# Allegro board reComputer J401_V1.0.brd (continued)
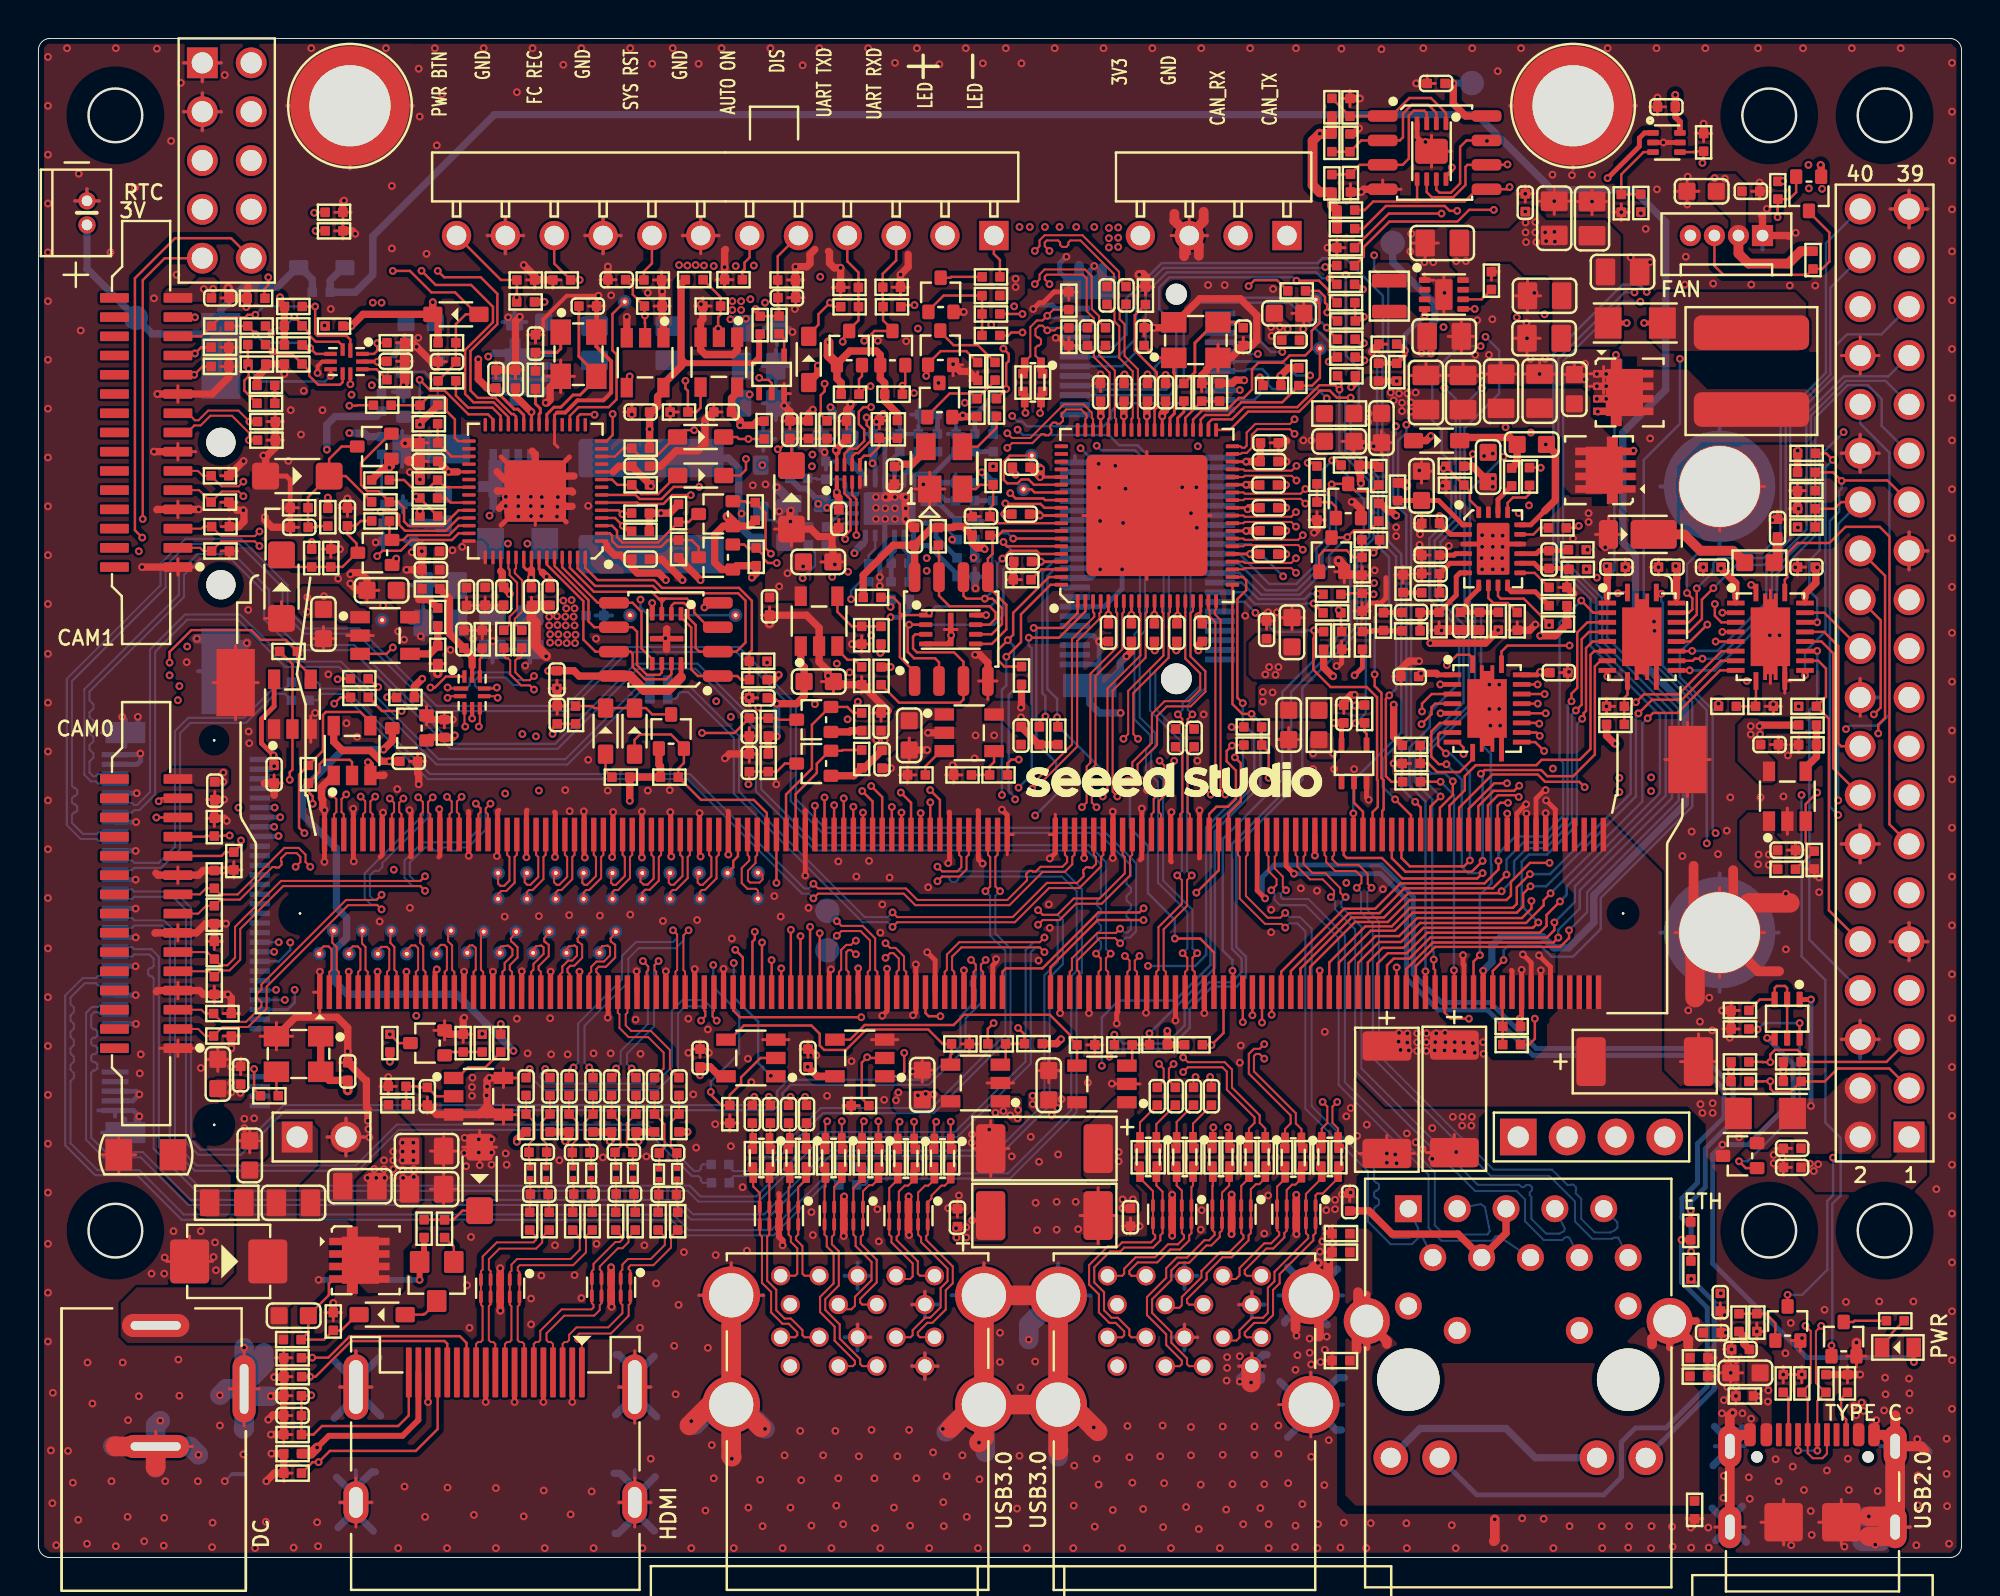
[diagram p0: board, top side]
## Routing (per net, layer and track width the routed paths; a pad name or vN(x,y) marks a point on that pad's centre or on a via; arc(x,y) is an arc through that point) (continued)
  GND02 w0.508: J1.S4 97.94,5.79 98.21,5.52
  GND02 w1.016: 52.97,5.65 53.02,5.7 J3.20 ; J4.21 53.02,7.96 J3.20 ; J4.21 48.5,7.96 46.98,6.43 ; J4.21 J4.22 49.17,13.63 J3.19 J3.20 ; J4.21 49.16,6.08 49.24,6 ; J4.19 J4.20 ; J4.20 35.19,7.96 33.51,6.28 ; J4.20 36.02,5.17 v1(36.05,5.14) ; J4.20 36.49,7.96 38.09,6.36 ; J1.S3 96.01,1.05 95.06,1.05 ; J1.S3 95.99,2.14 v1(95.18,2.14) 94.93,2.14 ; J1.S3 J1.S4 ; v1(54.88,6.76) 53.69,7.95 J3.20
  LAY3 w0.127: J16.3 60.78,68.75 ; J16.3 59.84,67.81 ; J16.3 58.9,68.75
  LAY3 w0.381: 4.17,5.77 J2.2 ; J2.2 6.09,5 ; J2.2 6.09,6.55 ; J2.2 8.02,5.77 ; 10.69,6.84 J2.3 ; J2.3 9.91,8.77 ; J2.3 11.47,8.77
  LAY3 w0.508: J3.21 66.16,9.68 ; J3.21 64.43,7.95 ; J3.21 66.16,6.22 ; J4.16 43.32,14.66 ; J4.16 42.59,15.39 ; J4.16 42.59,13.93 ; J4.16 41.86,14.66 ; 97.27,69.1 J10.39 ; J10.39 98.3,70.13 ; J10.39 97.27,71.16 ; J10.39 96.24,70.13 ; 41.86,11.46 J4.7 ; J4.7 43.32,11.46 ; J4.7 42.59,12.19 ; J4.7 42.59,10.73 ; J10.25 98.3,52.35 ; J10.25 96.24,52.35 ; J10.25 97.27,51.32 ; J10.25 97.27,53.38 ; J2.2 8.07,5.77 ; J2.2 6.09,4.95 ; J2.2 4.11,5.77 ; J2.2 6.09,6.6 ; J1.S1 88.78,1.59 ; J1.S1 87.95,2.91 ; J1.S1 87.12,1.59 ; 85.04,32.5 MH3.1 ; MH3.1 89.8,32.5 ; MH3.1 87.42,34.88 ; MH3.1 87.42,30.12 ; MH4.1 89.8,55.7 ; MH4.1 87.42,58.08 ; MH4.1 85.04,55.7 ; MH4.1 87.42,53.32 ; J16.3 60.83,68.75 ; J16.3 58.85,68.75 ; J16.3 59.84,67.76 ; 49.16,15.37 J4.22 47.43,13.64 ; 95.72,1.59 J1.S3 97.38,1.59 ; 45.36,13.16 J4.13 ; J4.13 46.09,12.43 ; J4.13 46.82,13.16 ; J4.13 46.09,13.89 ; J2.3 10.69,10.75 ; J2.3 11.52,8.77 ; J2.3 9.86,8.77 ; J2.3 10.69,6.79 ; 66.16,11.9 J3.22 ; J3.22 66.16,15.36 ; J3.22 64.43,13.63 ; J1.S4 97.94,5.79 98.21,5.52 ; J1.S4 95.72,5.79 ; J1.S4 96.55,7.11 ; 93.7,37.11 J10.14 ; J10.14 94.73,36.08 ; J10.14 94.73,38.14 ; J10.14 95.76,37.11 ; 15.63,2.87 J5.23 ; J5.23 17.39,2.87 ; J5.23 16.51,4.2 ; J5.23 16.51,1.54 ; 62.36,13.15 J3.13 ; J3.13 63.82,13.15 ; J3.13 63.09,13.88 ; J3.13 63.09,12.42 ; 30.13,8.87 J5.20 ; J5.20 31.89,8.87 ; J5.20 31.01,6.94 ; J5.20 31.01,10.8 ; 96.24,32.03 J10.9 ; J10.9 97.27,31 ; J10.9 97.27,33.06 ; J10.9 98.3,32.03 ; 76.47,75.5 MH2.1 ; MH2.1 83.13,75.5 ; MH2.1 79.8,72.17 ; 7.49,77.73 J17.1 ; J17.1 8.52,76.7 ; J17.1 9.55,77.73 ; 62.36,9.95 J3.4 ; J3.4 63.82,9.95 ; J3.4 63.09,9.22 ; J3.4 63.09,10.68 ; 59.59,13.92 J3.16 ; J3.16 59.59,15.38 ; J3.16 60.32,14.65 ; J3.16 58.86,14.65 ; J4.19 37.75,13.64 ; J4.19 36.02,15.37 ; J4.19 34.29,13.64 ; J3.19 54.75,13.63 ; J3.19 51.29,13.63 ; J3.19 53.02,15.36 ; 31.01,1.54 J5.22 ; J5.22 31.89,2.87 ; J5.22 30.13,2.87 ; J5.22 31.01,4.2 ; J10.34 95.76,62.51 ; J10.34 94.73,63.54 ; J10.34 94.73,61.48 ; 16.51,6.94 J5.21 ; J5.21 15.63,8.87 ; J5.21 17.39,8.87 ; J5.21 16.51,10.8 ; J10.20 95.76,44.73 ; J10.20 94.73,43.7 ; J10.20 94.73,45.76 ; 93.7,26.95 J10.6 ; J10.6 94.73,25.92 ; J10.6 95.76,26.95 ; J10.6 94.73,27.98 ; 7.49,75.19 J17.3 ; J17.3 8.52,74.16 ; J17.3 8.52,76.22 ; J17.3 9.55,75.19 ; J1.S2 87.95,7.11 ; J1.S2 87.95,4.46 ; J1.S2 88.78,5.79 ; J4.4 46.82,9.96 ; J4.4 46.09,10.69 ; J4.4 45.36,9.96 ; J4.4 46.09,9.23 ; J10.30 94.73,58.46 ; J10.30 95.76,57.43 ; J10.30 94.73,56.4 ; MH1.1 19.53,75.5 ; MH1.1 16.2,72.17 ; MH1.1 12.87,75.5 ; 58.86,11.45 J3.7 ; J3.7 59.59,10.72 ; J3.7 59.59,12.18 ; J3.7 60.32,11.45 ; 89.65,67.97 J13.1 89.65,69.53
  LAY3 w1.016: 33.9,6.87 34.99,7.96 J4.20 ; 47.15,6.46 48.65,7.96 J4.21 ; J4.20 36.59,7.96 37.99,6.56 ; J4.20 J4.19 ; J4.20 36.02,6.08 36.08,6.03 ; 86.07,54.35 MH4.1 89.17,53.95 ; v1(48.91,5.98) 49.16,6.23 J4.21 ; 55.18,6.51 53.74,7.95 J3.20 ; J1.S4 J1.S3 ; J1.S3 95.99,2.14 v1(95.18,2.14) ; J1.S3 96.04,1.07 95.13,1.07 ; 53,5.47 53.02,5.49 J3.20 ; J4.21 J4.22 53.02,13.64 J3.19 J3.20 ; J4.21 49.17,7.95 J3.20
  LAY4 w0.508: J15.9 29.36,69.74 ; J15.9 30.35,68.75 ; J15.9 28.37,68.75 ; 87.95,4.46 J1.S2 ; J1.S2 88.78,5.79 ; J1.S2 87.95,7.11 ; 36.02,15.37 J4.19 34.29,13.64 ; J15.11 25.27,68.75 ; J15.11 24.28,69.74 ; J15.11 23.29,68.75 ; J15.11 24.28,67.76 ; 62.36,9.95 J3.4 ; J3.4 63.82,9.95 ; J3.4 63.09,10.68 ; J3.4 63.09,9.22 ; 16.51,6.94 J5.21 ; J5.21 15.63,8.87 ; J5.21 17.39,8.87 ; J5.21 16.51,10.8 ; J1.S1 88.78,1.59 ; J1.S1 87.12,1.59 ; J1.S1 87.95,2.91 ; 95.76,44.73 J10.20 93.7,44.73 ; 15.99,20.84 J7.2 ; J7.2 14.96,21.87 ; J7.2 17.02,21.87 ; J7.2 15.99,22.9 ; 95.72,1.59 J1.S3 97.38,1.59 ; 12.87,75.5 MH1.1 ; MH1.1 16.2,72.17 ; MH1.1 19.53,75.5 ; MH3.1 87.42,34.88 ; MH3.1 89.8,32.5 ; MH3.1 87.42,30.12 ; MH3.1 85.04,32.5 ; 90.43,68.75 J13.1 89.65,67.97 ; J2.3 10.69,10.75 ; J2.3 10.69,6.79 ; J2.3 9.86,8.77 ; J2.3 11.52,8.77 ; 97.27,51.32 J10.25 ; J10.25 97.27,53.38 ; J10.25 96.24,52.35 ; J10.25 98.3,52.35 ; 83.13,75.5 MH2.1 76.47,75.5 ; J10.6 94.73,27.98 ; J10.6 94.73,25.92 ; J10.6 93.7,26.95 ; J10.6 95.76,26.95 ; J10.9 97.27,33.06 ; J10.9 97.27,31 ; J10.9 98.3,32.03 ; J5.20 31.01,10.8 ; J5.20 30.13,8.87 ; J5.20 31.89,8.87 ; J5.20 31.01,6.94 ; J10.39 97.27,71.16 ; J10.39 96.24,70.13 ; J10.39 97.27,69.1 ; J10.39 98.3,70.13 ; 51.29,13.63 J3.19 53.02,15.36 ; MH4.1 89.8,55.7 ; MH4.1 87.42,58.08 ; MH4.1 87.42,53.32 ; MH4.1 85.04,55.7 ; J15.7 34.44,69.74 ; J15.7 35.43,68.75 ; J15.7 33.45,68.75 ; 1.84,70.55 J14.1 ; J14.1 2.52,71.23 ; J14.1 3.2,70.55 ; 93.7,37.11 J10.14 94.73,38.14 ; 15.63,2.87 J5.23 ; J5.23 16.51,1.54 ; J5.23 16.51,4.2 ; J5.23 17.39,2.87 ; J10.34 94.73,63.54 ; J10.34 94.73,61.48 ; J10.34 93.7,62.51 ; J2.2 8.07,5.77 ; J2.2 4.11,5.77 ; J2.2 6.09,6.6 ; J2.2 6.09,4.95 ; J3.22 66.16,15.36 ; J3.22 66.16,11.9 ; J3.22 64.43,13.63 ; 63.09,12.42 J3.13 ; J3.13 63.09,13.88 ; J3.13 63.82,13.15 ; J3.13 62.36,13.15 ; J5.22 31.89,2.87 ; J5.22 31.01,4.2 ; J5.22 31.01,1.54 ; J5.22 30.13,2.87 ; 64.43,7.95 J3.21 ; J3.21 66.16,9.68 ; J3.21 66.16,6.22 ; 7.49,75.19 J17.3 ; J17.3 8.52,76.22 ; J17.3 9.55,75.19 ; J17.3 8.52,74.16 ; J4.21 50.89,7.96 ; J4.21 49.16,6.23 ; J4.21 49.16,9.69 ; J1.S4 96.55,7.11 ; J1.S4 95.72,5.79 ; J1.S4 97.87,5.79 98.11,5.54 ; 94.73,56.4 J10.30 95.76,57.43 ; 7.49,77.73 J17.1 ; J17.1 8.52,76.7 ; J17.1 9.55,77.73 ; 46.82,9.96 J4.4 46.09,9.23
  LAY4 w1.016: J3.20 53.69,7.95 v1(54.88,6.76) ; J3.20 49.17,7.95 J4.21 ; J3.20 53.02,5.72 53.05,5.7 ; J3.20 J3.19 53.02,13.64 J4.22 49.16,10.72 49.21,10.68 49.16,10.62 49.16,7.96 J4.21 ; J1.S3 95.99,2.14 v1(95.18,2.14) ; J1.S3 96.06,1.1 95.03,1.1 ; J1.S3 J1.S4 ; v1(37.78,6.69) 36.51,7.96 J4.20 ; 47.28,6.74 48.5,7.96 J4.21 ; J4.20 34.22,6.15 33.67,6.15 ; J4.20 35.09,7.96 34.28,7.14 ; J4.20 J4.19 35.88,13.49 ; J4.20 36.02,5.52 36.05,5.49 ; J4.21 48.91,7.7 v1(48.91,5.98)
  PWR05 w0.127: J17.3 8.52,76.17 ; J17.3 9.5,75.19 ; J17.3 7.54,75.19 ; J17.3 8.52,74.21 ; J4.7 42.59,12.14 ; J4.7 42.59,10.78 ; J4.7 43.27,11.46 ; J4.7 41.92,11.46 ; 62.41,13.15 J3.13 ; J3.13 63.09,13.83 ; J3.13 63.09,12.47 ; J3.13 63.77,13.15 ; 24.28,67.81 J15.11 ; J15.11 23.34,68.75 ; J15.11 24.28,69.69 ; 34.35,13.64 J4.19 ; J4.19 36.02,15.32 ; J4.19 37.7,13.64 ; J5.23 16.51,4.15 ; J5.23 17.34,2.87 ; J5.23 15.68,2.87 ; J5.23 16.51,1.59 ; J10.34 95.71,62.51 ; J10.34 93.75,62.51 ; J10.34 94.73,61.53 ; J10.34 94.73,63.49 ; 31.01,1.59 J5.22 ; J5.22 31.01,4.15 ; J5.22 30.18,2.87 ; J5.22 31.84,2.87 ; 9.91,8.77 J2.3 ; J2.3 11.47,8.77 ; J2.3 10.69,6.84 ; J2.3 10.69,10.7 ; J14.1 2.52,71.18 ; J14.1 3.15,70.55 ; J14.1 1.89,70.55 ; 46.09,9.28 J4.4 ; J4.4 46.77,9.96 ; J4.4 45.42,9.96 ; J4.4 46.09,10.64 ; 46.09,12.48 J4.13 ; J4.13 46.09,13.84 ; J4.13 46.77,13.16 ; J4.13 45.42,13.16 ; 54.7,13.63 J3.19 53.02,15.31 ; J5.20 31.84,8.87 ; J5.20 30.18,8.87 ; J5.20 31.01,10.75 ; J5.20 31.01,6.99 ; 63.09,9.27 J3.4 ; J3.4 63.77,9.95 ; J3.4 63.09,10.63 ; J3.4 62.41,9.95 ; J4.16 43.27,14.66 ; J4.16 42.59,15.34 ; J4.16 41.92,14.66 ; J4.16 42.59,13.98 ; 90.38,68.75 J13.1 89.65,69.48 ; 58.91,11.45 J3.7 ; J3.7 59.59,12.13 ; J3.7 60.27,11.45 ; J3.7 59.59,10.77 ; J3.21 66.16,9.63 ; J3.21 64.48,7.95 ; J3.21 66.16,6.27 ; J3.21 67.84,7.95 ; J10.39 98.25,70.13 ; J10.39 97.27,69.15 ; J10.39 96.29,70.13 ; J10.39 97.27,71.11 ; J1.S1 87.95,2.86 ; J1.S1 87.17,1.59 ; J1.S1 88.73,1.59 ; J5.21 17.34,8.87 ; J5.21 16.51,10.75 ; J5.21 16.51,6.99 ; J5.21 15.68,8.87 ; J3.16 60.27,14.65 ; J3.16 58.91,14.65 ; J3.16 59.59,15.33 ; J3.16 59.59,13.97 ; J4.22 50.84,13.64 ; J4.22 47.49,13.64 ; J4.22 49.16,15.32 ; J2.2 6.09,6.55 ; J2.2 8.02,5.77 ; J2.2 4.17,5.77 ; J2.2 6.09,5 ; 76.52,75.5 MH2.1 83.08,75.5 ; 8.52,76.75 J17.1 ; J17.1 7.54,77.73 ; J17.1 9.5,77.73 ; 64.48,13.63 J3.22 ; J3.22 66.16,15.31 ; J3.22 66.16,11.95 ; J3.22 67.84,13.63 ; 95.77,5.79 J1.S4 96.55,7.06 ; J1.S2 88.73,5.79 ; J1.S2 87.95,7.06 ; J1.S2 87.95,4.51 ; J1.S2 87.17,5.79
  PWR05 w0.381: 19.57,75.5 19.57,75.5 MH1.1 12.78,75.5 12.74,75.55
  PWR05 w0.508: J1.S4 97.84,5.79 98.16,5.47 ; 97.85,2.37 97.33,2.37 J1.S3 96.96,1.18 97.73,1.18
  PWR05 w1.016: v1(37.78,6.69) 36.51,7.96 J4.20 ; J4.21 49.16,10.63 49.29,10.75 49.16,10.88 J4.22 49.17,13.63 J3.19 J3.20 ; J4.21 48.65,7.96 47.38,6.69 ; J4.21 53.02,7.96 J3.20 ; J4.21 49.26,7.86 49.26,5.75 ; J4.20 35.14,7.96 34.18,6.99 ; J4.20 36.02,6.06 36.16,5.93 ; J4.20 J4.19 ; J3.20 53.69,7.95 v1(54.88,6.76) ; J3.20 53.02,5.57 53.1,5.49 ; 95.01,0.9 95.61,0.9 96.3,1.59 95.74,2.14 v1(95.18,2.14) 94.93,2.14 ; J1.S4 J1.S3
  BOTTOM w0.127: 39.2,54.81 39.07,54.68 39.07,54.5 v1(39.12,54.45) ; Q9.2 v1(18.98,60.97) ; 12.21,4.33 v1(11.85,3.97) ; 46.43,55.81 46.51,55.89 46.6,55.89 ; 10.05,4.33 v1(9.69,3.97)
  BOTTOM w0.203: 51.34,13.63 J3.19 ; J3.19 54.7,13.63 ; J3.19 53.02,15.31 ; R94.2 49.12,53.91 ; R94.2 48.27,53.91 ; R94.2 48.7,53.48 ; R92.2 48.7,51.44 ; R92.2 49.12,51.01 ; R92.2 48.27,51.01 ; J10.25 97.27,53.33 ; J10.25 97.27,51.37 ; J10.25 98.25,52.35 ; C13.2 39.03,60.03 ; C13.2 38.34,59.15 ; C13.2 38.34,60.91 ; C13.2 37.66,60.03 ; 59.59,10.77 J3.7 ; J3.7 60.27,11.45 ; J3.7 58.91,11.45 ; J3.7 59.59,12.13 ; 96.29,70.13 J10.39 ; J10.39 97.27,71.11 ; J10.39 97.27,69.15 ; J10.39 98.25,70.13 ; 40.05,58.17 C183.2 ; C183.2 40.68,58.8 ; C183.2 41.3,58.17 ; C183.2 40.68,57.55 ; 37.72,63.93 C21.2 ; C21.2 38.41,63.06 ; C21.2 39.09,63.93 ; C21.2 38.41,64.81 ; 16.51,3.62 16.51,4.55 ; R95.2 45.81,59.87 ; R95.2 46.24,59.44 ; R95.2 45.38,59.44 ; R95.2 45.81,59.01 ; J15.9 30.3,68.75 ; J15.9 28.42,68.75 ; J15.9 29.36,69.69 ; J15.9 29.36,67.81 ; 87.42,29.42 MH3.1 ; MH3.1 84.34,32.5 ; MH3.1 90.5,32.5 ; MH3.1 87.42,35.58 ; J10.30 95.71,57.43 ; J10.30 93.75,57.43 ; J10.30 94.73,56.45 ; J10.30 94.73,58.41 ; MH1.1 19.48,75.5 ; MH1.1 16.2,72.22 ; MH1.1 12.92,75.5 ; J10.9 97.27,33.01 ; J10.9 96.29,32.03 ; J10.9 98.25,32.03 ; J10.9 97.27,31.05 ; 41.38,57 R24.2 40.95,56.57 ; C26.2 43.82,58.43 ; C26.2 43.39,58.01 ; C26.2 42.97,58.43 ; C26.2 43.39,58.86 ; 87.95,2.02 87.95,2.86 ; 42.59,10.78 J4.7 ; J4.7 41.92,11.46 ; J4.7 42.59,12.14 ; J4.7 43.27,11.46 ; 46.09,12.48 J4.13 ; J4.13 46.09,13.84 ; J4.13 45.42,13.16 ; J4.13 46.77,13.16 ; J4.4 46.09,10.64 ; J4.4 46.77,9.96 ; J4.4 45.42,9.96 ; J4.4 46.09,9.28 ; C189.2 45.76,58.86 ; C189.2 46.18,58.43 ; C189.2 45.76,58.01 ; C189.2 45.33,58.43 ; C61.2 29.4,49.42 ; C61.2 29.4,48.56 ; C61.2 28.97,48.99 ; C61.2 29.83,48.99 ; C186.2 44.79,58.86 ; C186.2 44.79,58.01 ; C186.2 45.22,58.43 ; 24.58,55.04 Q6.2 ; Q6.2 24.95,54.31 ; Q6.2 25.32,55.04 ; C25.2 37.69,58.8 ; C25.2 37.69,57.55 ; C25.2 38.31,58.17 ; J14.1 3.15,70.55 ; J14.1 1.89,70.55 ; J14.1 2.52,71.18 ; MH2.1 83.08,75.5 ; MH2.1 79.8,72.22 ; MH2.1 76.52,75.5 ; 31.84,2.87 J5.22 30.18,2.87 ; J4.19 37.7,13.64 ; J4.19 36.02,15.32 ; J4.19 34.35,13.64 ; 18.95,54.34 R263.2 ; R263.2 19.38,54.77 ; R263.2 18.95,55.2 ; R263.2 18.52,54.77 ; 42.59,13.98 J4.16 ; J4.16 43.27,14.66 ; J4.16 41.92,14.66 ; J4.16 42.59,15.34 ; J13.1 90.38,68.75 ; J13.1 89.65,68.02 ; J13.1 89.65,69.48 ; 47.28,58.43 R88.2 ; R88.2 48.14,58.43 ; R88.2 47.71,58.86 ; R88.2 47.71,58.01 ; 7.88,5.77 8.02,5.77 ; 87.95,6.06 87.95,7.06 ; 67.84,13.63 J3.22 64.48,13.63 ; 31.01,10.75 31.01,9.72 ; C22.2 24.75,64.87 ; C22.2 24.13,64.25 ; C22.2 24.75,63.63 ; C22.2 25.38,64.25 ; C31.2 24.49,47.22 ; C31.2 23.61,46.54 ; C31.2 22.73,47.22 ; J3.13 63.77,13.15 ; J3.13 62.41,13.15 ; J3.13 63.09,13.83 ; J3.13 63.09,12.47 ; 84.34,55.7 MH4.1 ; MH4.1 87.42,58.78 ; MH4.1 87.42,52.62 ; 18.9,56.72 D57.1 ; D57.1 19.58,57.65 ; D57.1 18.9,58.58 ; C58.2 20.69,48.61 ; C58.2 20.01,49.48 ; C58.2 19.32,48.61 ; C58.2 20.01,47.73 ; 93.75,37.11 J10.14 ; J10.14 94.73,38.09 ; J10.14 95.71,37.11 ; J10.14 94.73,36.13 ; 8.29,46.09 J19.1 10.68,46.09 ; 24.67,55.04 Q6.3 24.3,54.31 ; 53.89,57.28 J20.33 52.93,56.95 ; J17.3 8.52,76.17 ; J17.3 9.5,75.19 ; J17.3 7.54,75.19 ; J17.3 8.52,74.21 ; 19.31,50.55 C49.2 ; C49.2 20,49.68 ; C49.2 20,51.43 ; C49.2 20.69,50.55 ; J15.11 25.22,68.75 ; J15.11 24.28,69.69 ; J15.11 24.28,67.81 ; J15.11 23.34,68.75 ; J3.16 59.59,15.33 ; J3.16 59.59,13.97 ; J3.16 58.91,14.65 ; J3.16 60.27,14.65 ; C200.2 18.35,52.85 ; C200.2 17.92,53.28 ; C200.2 17.92,52.42 ; C200.2 17.49,52.85 ; 49.16,15.32 J4.22 47.49,13.64 ; 37.66,61.96 C8.2 ; C8.2 38.34,61.08 ; C8.2 38.34,62.84 ; C8.2 39.03,61.96 ; 67.84,7.95 J3.21 66.16,9.63 ; 15.01,21.87 J7.2 ; J7.2 15.99,20.89 ; J7.2 16.97,21.87 ; J7.2 15.99,22.85 ; 18.98,60.13 Q9.2 18.42,60.63 ; 47.69,56.32 C188.2 47.69,55.47 ; 8.52,76.75 J17.1 ; J17.1 7.54,77.73 ; J17.1 9.5,77.73 ; 60.78,68.75 J16.3 59.84,67.81 ; 25.57,46.54 C32.2 24.69,47.22 ; 97.33,1.59 J1.S3 95.77,1.59 ; 96.55,7.06 J1.S4 95.77,5.79 ; 31.84,8.87 J5.20 30.18,8.87 ; 17.34,8.87 J5.21 15.68,8.87 ; 3.11,23.25 J18.75 3.99,22.93 ; 88.73,5.79 J1.S2 87.17,5.79 ; 25.23,55.04 Q6.1 ; Q6.1 25.97,55.04 ; Q6.1 25.6,54.31 ; 66.16,13.89 66.16,15.31 ; C72.2 19.94,52.85 ; C72.2 19.09,52.85 ; C72.2 19.52,52.42 ; 18.98,63.07 18.98,63.46 ; 12.94,4.33 12.21,4.33 ; 4.52,42.17 J18.76 3.3,42.9 ; 95.71,44.73 J10.20 94.73,45.71 ; 62.41,9.95 J3.4 ; J3.4 63.77,9.95 ; J3.4 63.09,10.63 ; J3.4 63.09,9.27 ; 88.73,1.59 88.02,1.59 ; J15.7 35.38,68.75 ; J15.7 33.5,68.75 ; J15.7 34.44,69.69 ; 93.75,26.95 J10.6 ; J10.6 95.71,26.95 ; J10.6 94.73,25.97 ; J10.6 94.73,27.93 ; 10.76,4.33 10.05,4.33 ; 4.52,22.83 J18.77 3.3,22.1 ; 17.34,2.87 J5.23 15.68,2.87 ; 16.51,9.19 16.51,10.75 ; 31.01,4.55 31.01,3.62
  BOTTOM w0.254: J18.21 v1(5.06,36.75) ; J20.77 55.16,45.84 55.16,46.52 ; 55.16,46.52 55.08,46.45 J20.75 ; 55.16,46.52 v1(55.16,47.64) 54.84,47.95 J20.69 ; C186.2 44.42,58.43 44.01,58.03 U9.3 44.01,54.8 U9.21 44.03,54.32 v1(44.03,54.01) 44.03,53.84 44.01,53.82 U9.14 44.01,52.39 43.75,52.13 v1(43.75,50.99) v1(43.75,50.53) ; J18.33 v1(5.05,33.75) ; J20.57 54.76,50.95 v1(55.21,51.39) 55.21,52.1 54.86,52.45 J20.51 ; J20.7 52.91,63.45 v1(52.89,63.43) ; J20.39 54.97,55.45 v1(55.16,55.63) ; J18.45 v1(5.05,30.75) ; v1(51.73,64.93) 51.93,65.13 52.72,65.13 52.9,64.95 J20.1 ; v1(56.35,51.39) 56.35,50.39 55.41,49.45 J20.63 ; J20.45 55.16,53.95 v1(55.21,53.91) ; J18.75 4.94,23.25 v1(5.24,22.94) ; v1(62.47,60.71) 62.46,60.7 J20.18 ; J18.73 4.91,23.75 v1(5.24,24.09) 5.08,24.25 J18.71 ; J18.39 v1(5.06,32.25) ; J18.51 v1(5.06,29.25) ; J18.3 5.14,41.25 5.32,41.43 5.32,41.8 v1(5.3,41.82) 5.23,41.75 J18.1 ; J20.33 55.06,56.95 v1(55.13,56.88) ; J18.9 v1(5.11,39.75) ; v1(53.45,67.65) 53.11,67.3 53.11,66.84 53.89,66.05 J20.76 54.67,66.93 v1(54.9,67.16) ; v1(4.36,43.72) 4.52,43.56 J18.76 4.88,42.9 5.17,43.19 v1(5.17,43.72) ; J18.27 v1(5.05,35.25) ; J18.15 v1(5.08,38.25) ; J18.57 v1(5.07,27.75)
  BOTTOM w0.305: R89.2 C188.2 46.6,55.89 46.52,55.81 v1(46.01,55.81) ; R24.2 40.95,57.04 40.88,57.11 v1(40.88,57.49) 40.83,57.54 40.83,58.02 C183.2
  BOTTOM w0.381: 87.95,1.66 87.95,2.02 88.61,2.67 ; 87.95,1.66 J1.S1 ; 87.95,1.66 87.03,2.57 ; J3.21 67.48,6.64 67.75,6.64 ; J3.21 67.56,9.35 67.91,9.35 ; J3.21 66.16,7.46 64.96,6.26 ; J3.21 65.75,7.95 64.55,9.15 ; 32.14,7.32 31.01,8.46 ; 31.01,8.46 31.01,8.42 30.01,7.42 ; 31.01,8.46 J5.20 31.01,9.46 ; 31.01,9.46 32.02,10.47 ; 31.01,9.46 31.01,9.72 30.18,10.55 30.03,10.55 ; 16.51,2.48 J5.23 16.51,3.17 ; 16.51,2.48 15.58,1.56 ; 16.51,2.48 16.51,2.28 17.41,1.38 ; 88.63,6.74 87.95,6.06 87.95,6.02 ; 29.93,4.38 30.25,4.38 31.01,3.62 31.01,3.14 ; 16.51,9.12 16.51,9.19 17.72,10.4 ; 16.51,9.12 15.43,10.19 ; 16.51,9.12 J5.21 16.51,8.66 ; v1(62.47,9.15) 62.47,9.33 J3.4 ; v1(56.58,46.87) 56.25,46.54 56.25,46.13 55.46,45.35 J20.77 54.67,44.42 55.17,43.92 v1(56.27,43.92) ; 63.89,10.55 63.69,10.55 J3.4 ; 38.84,59.84 v1(38.78,59.9) ; J3.22 67.52,14.99 67.55,14.99 ; J3.22 66.16,12.95 67.02,12.1 ; J3.22 64.81,12.28 64.81,12.2 ; J3.22 66.16,13.89 64.96,15.09 ; 29.98,1.25 30.14,1.25 31.01,2.12 31.01,2.39 ; v1(56.53,55.58) 56.5,55.58 56.23,55.31 55.48,55.31 v1(55.16,55.63) ; J1.S1 88.02,1.59 88.81,0.79 ; J1.S1 87.92,1.59 87.22,0.88 ; 63.59,9.23 63.59,9.46 J3.4 ; v1(55.21,53.91) 55.73,53.91 55.83,53.8 v1(56.4,53.8) ; 17.79,7.37 16.51,8.66 ; 16.51,8.66 16.51,8.37 15.38,7.25 ; v1(48.32,54.39) 48.7,54.02 R94.2 ; 31.01,3.14 32.07,4.2 ; 31.01,3.14 J5.22 31.01,2.39 ; v1(48.73,50.4) 48.7,50.43 R92.2 ; 18.5,62.54 18.92,62.96 Q10.2 ; 17.51,4.45 17.34,4.45 16.51,3.62 16.51,3.17 ; 16.51,3.17 15.51,4.17 ; v1(5.24,22.94) 5.14,22.84 5.14,22.36 4.88,22.1 J18.77 ; 87.95,6.02 87.16,6.81 ; 87.95,6.02 J1.S2 87.95,5.65 87.08,4.78 ; 31.01,2.39 32.02,1.38 ; Q10.2 v1(19.66,62.96) ; Q10.2 18.98,63.07 19.34,63.43 ; v1(55.99,56.78) 55.89,56.88 v1(55.13,56.88)
  BOTTOM w0.508: v1(38.39,55.66) 39.24,54.81 ; 39.24,54.81 38.59,54.81 38.59,54.48 v1(38.52,54.41) ; 39.24,54.81 C23.2 39.24,54.02 v1(39.1,53.88) ; 54.11,67.16 54.11,66.6 J20.76 55.31,66.69 55.31,67.06 ; 9.49,46.87 10.07,47.45 10.73,47.45 v1(10.83,47.56) ; 9.49,46.87 9.49,47.25 8.95,47.78 v1(8.24,47.78) ; 9.49,46.87 J19.1 ; 98.23,5.49 97.94,5.79 J1.S4
  BOTTOM w1.016: J4.19 J4.20 ; J4.20 36.51,7.96 v1(37.78,6.69) ; J4.20 35.19,7.96 34.12,6.89 ; J4.20 36.02,5.89 36,5.87 ; 11.72,10.65 11.72,10.03 10.69,9 ; v1(9.44,8.44) 9.77,8.77 J2.3 ; J4.21 J4.22 53.02,13.64 J3.19 ; J4.21 48.63,7.96 47.21,6.54 ; J4.21 49.24,7.88 49.24,5.47 ; J4.21 53.02,7.96 J3.20 ; 10.65,6.69 10.69,6.73 J2.3 ; J2.3 11.08,8.39 v1(12.08,8.39) ; J2.3 10.69,9 ; J2.2 3.9,5.77 3.87,5.8 ; J2.2 7.88,5.77 v1(8.32,5.34) ; J2.2 6.09,6.88 v1(6.34,7.12) ; J2.2 6.09,4.66 ; J1.S4 J1.S3 ; J1.S3 95.81,0.85 94.83,0.85 ; J1.S3 96.02,2.12 94.95,2.12 ; J3.19 51.5,12.11 v1(51.5,11.34) ; J3.19 J3.20 ; J3.20 53.69,7.95 v1(54.88,6.76) ; J3.20 53.02,5.24 ; 10.69,9 v1(10.69,10.92)
  vias: v1(0.49,78.04) v1(0.49,75.5) v1(0.49,72.96) v1(0.49,70.42) v1(0.49,67.88) v1(0.49,65.34) v1(0.49,62.29) v1(0.49,59.75) v1(0.49,57.21) v1(0.49,54.67) v1(0.49,52.13) v1(0.49,49.59) v1(0.49,47) v1(0.49,44.46) v1(0.49,41.92) v1(0.49,39.38) v1(0.49,36.84) v1(0.49,34.3) v1(0.49,31.68) v1(0.49,29.14) v1(0.49,26.6) v1(0.49,24.06) v1(0.49,21.52) v1(0.49,18.98) v1(0.49,16.31) v1(0.49,13.77) v1(0.49,11.23) v1(0.65,5.57) v1(0.75,8.57) v1(0.72,2.83) v1(0.93,0.64) v1(1.49,78.49) v1(1.54,5.54) v1(1.79,3.89) v1(2.09,71.97) v1(2.07,1.96) v1(2.2,63.81) v1(2.55,10.14) v1(2.53,0.72) v1(2.81,8.01) v1(3.75,67.88) v1(3.8,3.97) v1(4.03,78.49) v1(4.03,0.59) v1(4.38,10.14) v1(4.66,7.14) v1(4.63,2.12) v1(5.02,71.23) v1(5.27,25.18) v1(5.22,8.39) v1(5.32,26.17) v1(5.5,0.85) v1(5.88,14.76) v1(6.01,65.49) v1(6.16,78.47) v1(6.51,0.62) v1(6.57,15.6) v1(6.54,14.76) v1(6.59,3.97) v1(6.54,2.06) v1(6.9,73.67) v1(7.02,16.97) v1(7.17,66.71) v1(7.28,10.29) v1(7.4,76.69) v1(7.33,8.41) v1(7.71,46.57) v1(8.29,3.97) v1(8.44,25.46) v1(8.44,16.97) v1(9.11,15.63) v1(9.05,1.81) v1(9.03,0.54) v1(9.18,16.39) v1(9.23,14.94) v1(9.44,6.87) v1(9.69,77.1) v1(10.02,25.53) v1(10.71,22.82) v1(10.71,22.33) v1(10.65,5.37) v1(10.91,49.28) v1(10.93,42.96) v1(10.96,42.35) v1(11.21,22.84) v1(11.26,0.49) v1(11.82,1.86) v1(12.99,57.03) v1(13.12,59.67) v1(13.27,0.52) v1(13.65,58.4) v1(14.19,78.49) v1(14.39,43.92) v1(14.49,1.84) v1(14.54,0.59) v1(14.77,59.67) v1(15.07,45.93) v1(15.2,64.93) v1(15.58,50.91) v1(16.01,43.39) v1(16.57,42.68) v1(17.16,22.28) v1(17.21,21.85) v1(17.54,52.79) v1(17.74,33.08) v1(17.92,49.51) v1(18.07,78.49) v1(18.38,71.33) v1(18.38,68.08) v1(18.71,48.17) v1(18.66,39.96) v1(18.71,0.49) v1(19.01,47.73) v1(19.04,3.69) v1(19.32,56.45) v1(19.32,33.79) v1(19.42,52.28) v1(19.77,77.43) v1(19.75,63.43) v1(19.82,74.94) v1(19.87,47.91) v1(20.1,2.12) v1(20.18,67.8) v1(20.61,78.49) v1(20.71,73.44) v1(20.99,76.11) v1(21.27,3.64) v1(21.25,0.49) v1(21.42,47.2) v1(22.16,21.83) v1(22.14,21.04) v1(22.24,20.35) v1(22.29,14.16) v1(22.41,11.95) v1(22.49,16.67) v1(22.59,47.78) v1(22.57,24.95) v1(22.54,24.47) v1(22.54,24.01) v1(22.64,2.22) v1(22.9,21.75) v1(22.9,21.06) v1(22.95,20.4) v1(23.15,78.49) v1(23.3,24.04) v1(23.56,21.75) v1(23.56,21.06) v1(23.56,20.43) v1(23.63,47.66) v1(23.79,3.61) v1(23.79,0.49) v1(24.3,55.17) v1(24.3,54.68) v1(24.24,33.33) v1(24.29,21.01) v1(24.35,20.43) v1(24.42,64.5) v1(24.88,76.21) v1(24.88,28.02) v1(24.95,55.17) v1(24.95,54.68) v1(24.95,54.13) v1(25.31,46.39) v1(25.23,2.14) v1(25.44,26.22) v1(25.6,55.17) v1(25.6,54.68) v1(25.62,54.16) v1(25.62,13.47) v1(25.62,12.12) v1(25.69,78.49) v1(26.02,33.36) v1(26.17,55.15) v1(26.2,54.67) v1(26.15,54.16) v1(26.15,14.66) v1(26.28,3.49) v1(26.33,0.49) v1(26.61,28.05) v1(26.66,26.17) v1(26.86,16.24) v1(27.01,55.15) v1(26.99,54.64) v1(26.96,54.13) v1(27.09,20.66) v1(27.29,77.63) v1(27.39,39.91) v1(27.6,33.41) v1(27.52,26.17) v1(27.62,38.82) v1(27.67,2.24) v1(27.88,14.69) v1(28.23,78.49) v1(28.23,13.49) v1(28.59,54.69) v1(28.59,41.49) v1(28.76,3.44) v1(28.87,26.22) v1(28.87,0.49) v1(28.99,47.78) v1(29.02,16.31) v1(29.2,33.38) v1(29.35,20.81) v1(29.6,39.89) v1(29.78,65.64) v1(29.76,26.22) v1(30.77,78.49) v1(30.77,33.43) v1(31.05,27.97) v1(31.3,26.19) v1(31.28,11.95) v1(31.41,0.49) v1(31.51,16.24) v1(31.61,20.86) v1(31.69,65.77) v1(31.69,39.89) v1(31.91,77.68) v1(31.84,5.14) v1(32.12,14.26) v1(32.47,33.1) v1(32.85,59.49) v1(32.83,39.91) v1(32.98,78.49) v1(33.06,11.01) v1(33.13,8.49) v1(33.29,13.14) v1(33.57,15.88) v1(33.79,28.02) v1(33.79,26.25) v1(33.95,7.09) v1(33.95,0.49) v1(34.05,24.09) v1(34.2,21.32) v1(34.25,33.15) v1(34.33,77.68) v1(34.68,2.45) v1(34.81,27.46) v1(34.81,10.9) v1(34.86,26.25) v1(35.01,5.85) v1(35.11,4.12) v1(35.19,22.54) v1(35.22,15.73) v1(35.52,78.49) v1(36,21.39) v1(36.05,32.19) v1(36.16,0.49) v1(36.61,19.26) v1(36.89,25.94) v1(36.84,15.96) v1(36.94,44.74) v1(36.92,2.6) v1(37.07,24.72) v1(37.15,55.76) v1(37.53,4.05) v1(37.65,1.63) v1(37.81,55.81) v1(38.06,78.49) v1(38.26,34.4) v1(38.37,40.22) v1(38.59,33.33) v1(38.7,0.49) v1(38.8,5.32) v1(39.1,2.6) v1(39.2,63.74) v1(39.33,64.93) v1(39.61,6.59) v1(39.66,4.02) v1(39.74,77.6) v1(40.04,33.79) v1(40.19,17.97) v1(40.19,1.66) v1(40.27,16.77) v1(40.6,78.49) v1(40.8,5.32) v1(41.01,24.01) v1(41.24,0.49) v1(41.41,51.65) v1(41.44,6.59) v1(41.49,2.7) v1(41.59,36.2) v1(41.59,4.12) v1(41.85,1.73) v1(42.28,25.81) v1(42.53,35.41) v1(42.66,5.27) v1(43.14,78.49) v1(43.19,36.23) v1(43.32,6.64) v1(43.47,4.12) v1(43.5,1.53) v1(43.57,59.06) v1(43.55,55.15) v1(43.55,54.59) v1(43.55,54.01) v1(43.65,63.28) v1(43.62,18.12) v1(43.7,16.44) v1(43.78,32.49) v1(43.78,0.49) v1(43.88,33.97) v1(43.98,23.81) v1(44.03,54.57) v1(44.26,35.36) v1(44.49,2.6) v1(44.54,77.73) v1(44.54,55.15) v1(44.54,54.57) v1(44.54,54.01) v1(44.67,5.27) v1(45.12,63.25) v1(45.27,6.64) v1(45.33,1.66) v1(45.68,78.49) v1(45.66,4.12) v1(46.27,34.86) v1(46.32,0.49) v1(46.52,5.47) v1(46.85,77.66) v1(47.03,6.69) v1(47.05,2.88) v1(47.08,1.63) v1(47.31,18.17) v1(47.23,4.22) v1(47.46,47.96) v1(47.87,18.83) v1(48.04,5.32) v1(48.22,78.49) v1(48.27,2.12) v1(48.55,22) v1(48.53,21.57) v1(48.68,41.56) v1(48.73,42.76) v1(48.86,0.49) v1(48.93,4.07) v1(49.11,77.71) v1(49.44,22.26) v1(49.69,42.76) v1(50,11.69) v1(50,10.17) v1(50.3,78.49) v1(50.61,20.86) v1(50.89,2.55) v1(51.02,5.29) v1(51.07,8.85) v1(51.12,77.71) v1(51.4,0.49) v1(51.6,21.88) v1(51.85,18.45) v1(51.83,10.19) v1(52.01,31.05) v1(51.93,17.03) v1(52.03,20.58) v1(52.54,33.97) v1(52.59,32.75) v1(52.84,78.49) v1(52.95,18.5) v1(52.95,17.05) v1(53.02,20.96) v1(53.81,0.49) v1(53.86,4.78) v1(53.83,2.7) v1(53.94,18.5) v1(54.06,17.08) v1(54.57,24.7) v1(54.93,1.61) v1(55.03,5.14) v1(55.13,3.79) v1(55.38,78.49) v1(55.82,24.65) v1(55.87,2.47) v1(56.35,0.49) v1(56.63,6.84) v1(56.73,5.21) v1(56.88,3.89) v1(57.26,17.23) v1(57.44,2.52) v1(57.64,39.91) v1(57.92,78.49) v1(58.33,5.27) v1(58.46,6.87) v1(58.48,1.58) v1(58.53,3.87) v1(58.89,0.49) v1(59.47,55.66) v1(59.68,2.62) v1(59.93,54.31) v1(59.93,6.79) v1(59.93,5.32) v1(60.21,55.66) v1(60.24,53.55) v1(60.26,41.43) v1(60.34,1.48) v1(60.46,78.49) v1(60.49,18.07) v1(60.44,17.05) v1(60.44,3.79) v1(60.59,43.85) v1(60.82,66.17) v1(61.43,0.49) v1(61.58,6.81) v1(61.58,5.34) v1(61.68,66.17) v1(61.81,10.42) v1(61.81,9.86) v1(61.78,9.2) v1(61.76,2.5) v1(62.09,3.82) v1(62.47,25.74) v1(62.47,10.47) v1(62.52,26.63) v1(62.65,1.73) v1(62.75,48.98) v1(63,78.49) v1(63.23,6.81) v1(63.23,5.34) v1(63.54,2.57) v1(63.74,16.85) v1(63.74,3.82) v1(63.94,18.83) v1(63.97,1.73) v1(63.97,0.49) v1(64.1,33.69) v1(64.1,32.52) v1(64.2,65.97) v1(64.4,49.16) v1(64.48,6.87) v1(64.48,5.39) v1(64.99,3.87) v1(65.39,78.49) v1(65.37,9.76) v1(65.37,1.66) v1(65.34,0.54) v1(65.42,11.54) v1(65.47,10.52) v1(65.65,34.81) v1(65.77,63.89) v1(65.72,2.78) v1(66.1,11.39) v1(66.1,10.65) v1(66.18,10.04) v1(66.18,5.24) v1(66.28,41) v1(66.48,34.68) v1(66.51,0.49) v1(66.53,1.73) v1(66.64,15.91) v1(66.66,10.17) v1(66.76,16.44) v1(66.89,27.34) v1(66.89,10.8) v1(66.86,3.77) v1(66.97,18.07) v1(66.97,17.13) v1(66.99,11.49) v1(67.09,6.1) v1(67.3,16.34) v1(67.37,41) v1(67.42,18.6) v1(67.42,18.12) v1(67.7,0.52) v1(67.75,78.47) v1(67.78,18.88) v1(67.88,1.81) v1(68.01,35.08) v1(68.01,22.94) v1(68.24,23.38) v1(68.24,18.98) v1(68.41,41) v1(68.57,21.93) v1(68.97,57.82) v1(69.07,22.51) v1(69.05,0.49) v1(69.28,1.79) v1(69.43,57.79) v1(69.48,51.34) v1(69.84,78.44) v1(69.91,34.75) v1(70.12,20.53) v1(70.6,53.58) v1(70.6,53.12) v1(70.55,20.96) v1(70.62,20.51) v1(71.16,22.05) v1(71.13,1.79) v1(71.16,0.49) v1(71.39,68.84) v1(71.34,67.93) v1(71.61,21.6) v1(72.01,78.49) v1(71.97,21.24) v1(72.07,67.37) v1(72.12,73.62) v1(72.48,22.33) v1(72.48,20.73) v1(72.53,67.37) v1(73.11,65.77) v1(73.34,52.61) v1(73.49,1.68) v1(73.55,22.92) v1(73.7,0.49) v1(73.72,21.09) v1(74.05,22.92) v1(74.03,22.46) v1(74.51,22.46) v1(74.55,78.49) v1(74.54,22.92) v1(74.71,62.54) v1(74.82,64.35) v1(75.04,61.48) v1(75.07,53.17) v1(75.07,52.56) v1(75.04,51.98) v1(75.07,51.39) v1(75.17,57.28) v1(75.42,62.54) v1(75.45,45.4) v1(75.45,44.13) v1(75.5,43.26) v1(75.6,64.4) v1(75.6,51.98) v1(75.63,57.41) v1(75.63,53.14) v1(75.63,52.56) v1(75.63,51.39) v1(75.88,77.3) v1(75.96,45.4) v1(75.96,44.13) v1(76.11,51.98) v1(76.14,53.14) v1(76.14,52.56) v1(76.14,51.39) v1(76.24,0.49) v1(77.09,78.49) v1(77.15,2.04) v1(77.38,64.22) v1(77.58,62.34) v1(77.79,65.77) v1(78.27,2.01) v1(78.35,62.34) v1(78.73,71.91) v1(78.78,0.49) v1(79.59,46.06) v1(79.62,1.63) v1(79.74,71.89) v1(79.79,52.99) v1(80.4,61.27) v1(80.43,62.08) v1(80.61,54.31) v1(80.61,53.86) v1(80.78,71.91) v1(81.04,61.55) v1(81.04,60.92) v1(81.04,60.26) v1(81.29,1.63) v1(81.32,0.49) v1(81.6,78.49) v1(81.52,61.55) v1(81.52,60.92) v1(81.52,60.26) v1(82.71,1.63) v1(82.66,0.52) v1(82.79,67.62) v1(83.58,69.1) v1(83.81,67.37) v1(83.88,1.63) v1(83.86,0.49) v1(84.01,48.67) v1(84.04,48.19) v1(84.14,78.49) v1(84.16,71.15) v1(84.95,1.61) v1(84.98,0.57) v1(85.48,36.48) v1(85.61,66.2) v1(85.66,67.65) v1(85.76,71.81) v1(85.74,70.37) v1(85.79,28.46) v1(85.91,1.56) v1(85.97,37.75) v1(85.94,0.52) v1(86.4,27.87) v1(86.68,78.49) v1(86.88,29.12) v1(86.83,1.56) v1(86.85,0.52) v1(87.08,66.25) v1(87.03,27.41) v1(87.34,36.58) v1(87.54,7.5) v1(87.69,12.61) v1(87.64,8.19) v1(87.64,4.25) v1(87.62,3.11) v1(87.79,37.8) v1(87.74,11.69) v1(87.79,10.27) v1(87.82,8.87) v1(87.97,39.53) v1(87.95,27.03) v1(88.28,10.27) v1(88.28,8.9) v1(88.61,7.5) v1(88.94,4.17) v1(88.99,3.06) v1(89.06,66.2) v1(89.06,7.22) v1(89.42,78.49) v1(89.5,71.51) v1(89.55,39.53) v1(89.88,70.14) v1(90.21,44.38) v1(90.23,20.94) v1(90.23,20.51) v1(90.33,5.11) v1(90.49,3.97) v1(90.54,47.96) v1(90.69,20.78) v1(90.74,39.58) v1(90.87,34.53) v1(90.87,31.63) v1(90.84,10.62) v1(90.97,41.71) v1(91.07,66.15) v1(91.12,12.2) v1(91.14,0.64) v1(91.22,4.73) v1(91.38,68.89) v1(91.35,51.49) v1(91.71,11.41) v1(91.76,78.49) v1(91.81,3.51) v1(92.16,2.42) v1(92.21,1.18) v1(92.39,66.15) v1(92.6,35.36) v1(92.6,34.6) v1(92.87,12.89) v1(93,4.53) v1(93.91,0.57) v1(93.99,13.29) v1(94.09,5.14) v1(94.14,3.51) v1(94.3,78.49) v1(95.51,0.67) v1(95.56,7.14) v1(95.64,3.46) v1(95.72,13.32) v1(95.97,7.65) v1(96.02,9.35) v1(96.05,8.49) v1(96.84,78.49) v1(97.27,9.3) v1(97.29,8.54) v1(97.29,7.65) v1(97.5,13.32) v1(97.7,6.15) v1(97.65,0.64) v1(97.73,4.27) v1(97.73,2.73) v1(98.69,19.16) v1(99.22,6.18) v1(99.22,4.35) v1(99.25,2.67) v1(99.35,0.72) v1(99.5,77.73) v1(99.5,75.19) v1(99.5,72.65) v1(99.5,70.11) v1(99.5,67.93) v1(99.5,65.39) v1(99.5,62.85) v1(99.5,60.31) v1(99.5,58.1) v1(99.5,55.56) v1(99.5,53.02) v1(99.5,50.48) v1(99.5,48.09) v1(99.5,45.55) v1(99.5,43.01) v1(99.5,40.47) v1(99.5,37.95) v1(99.5,35.41) v1(99.5,32.87) v1(99.5,30.33) v1(99.5,28.05) v1(99.5,25.51) v1(99.5,22.97) v1(99.5,20.43) v1(99.5,17.89) v1(99.5,15.35) v1(99.5,12.81) v1(99.5,10.27) v1(99.5,7.73)
